# KiCad board control-logic-midplane.kicad_pcb
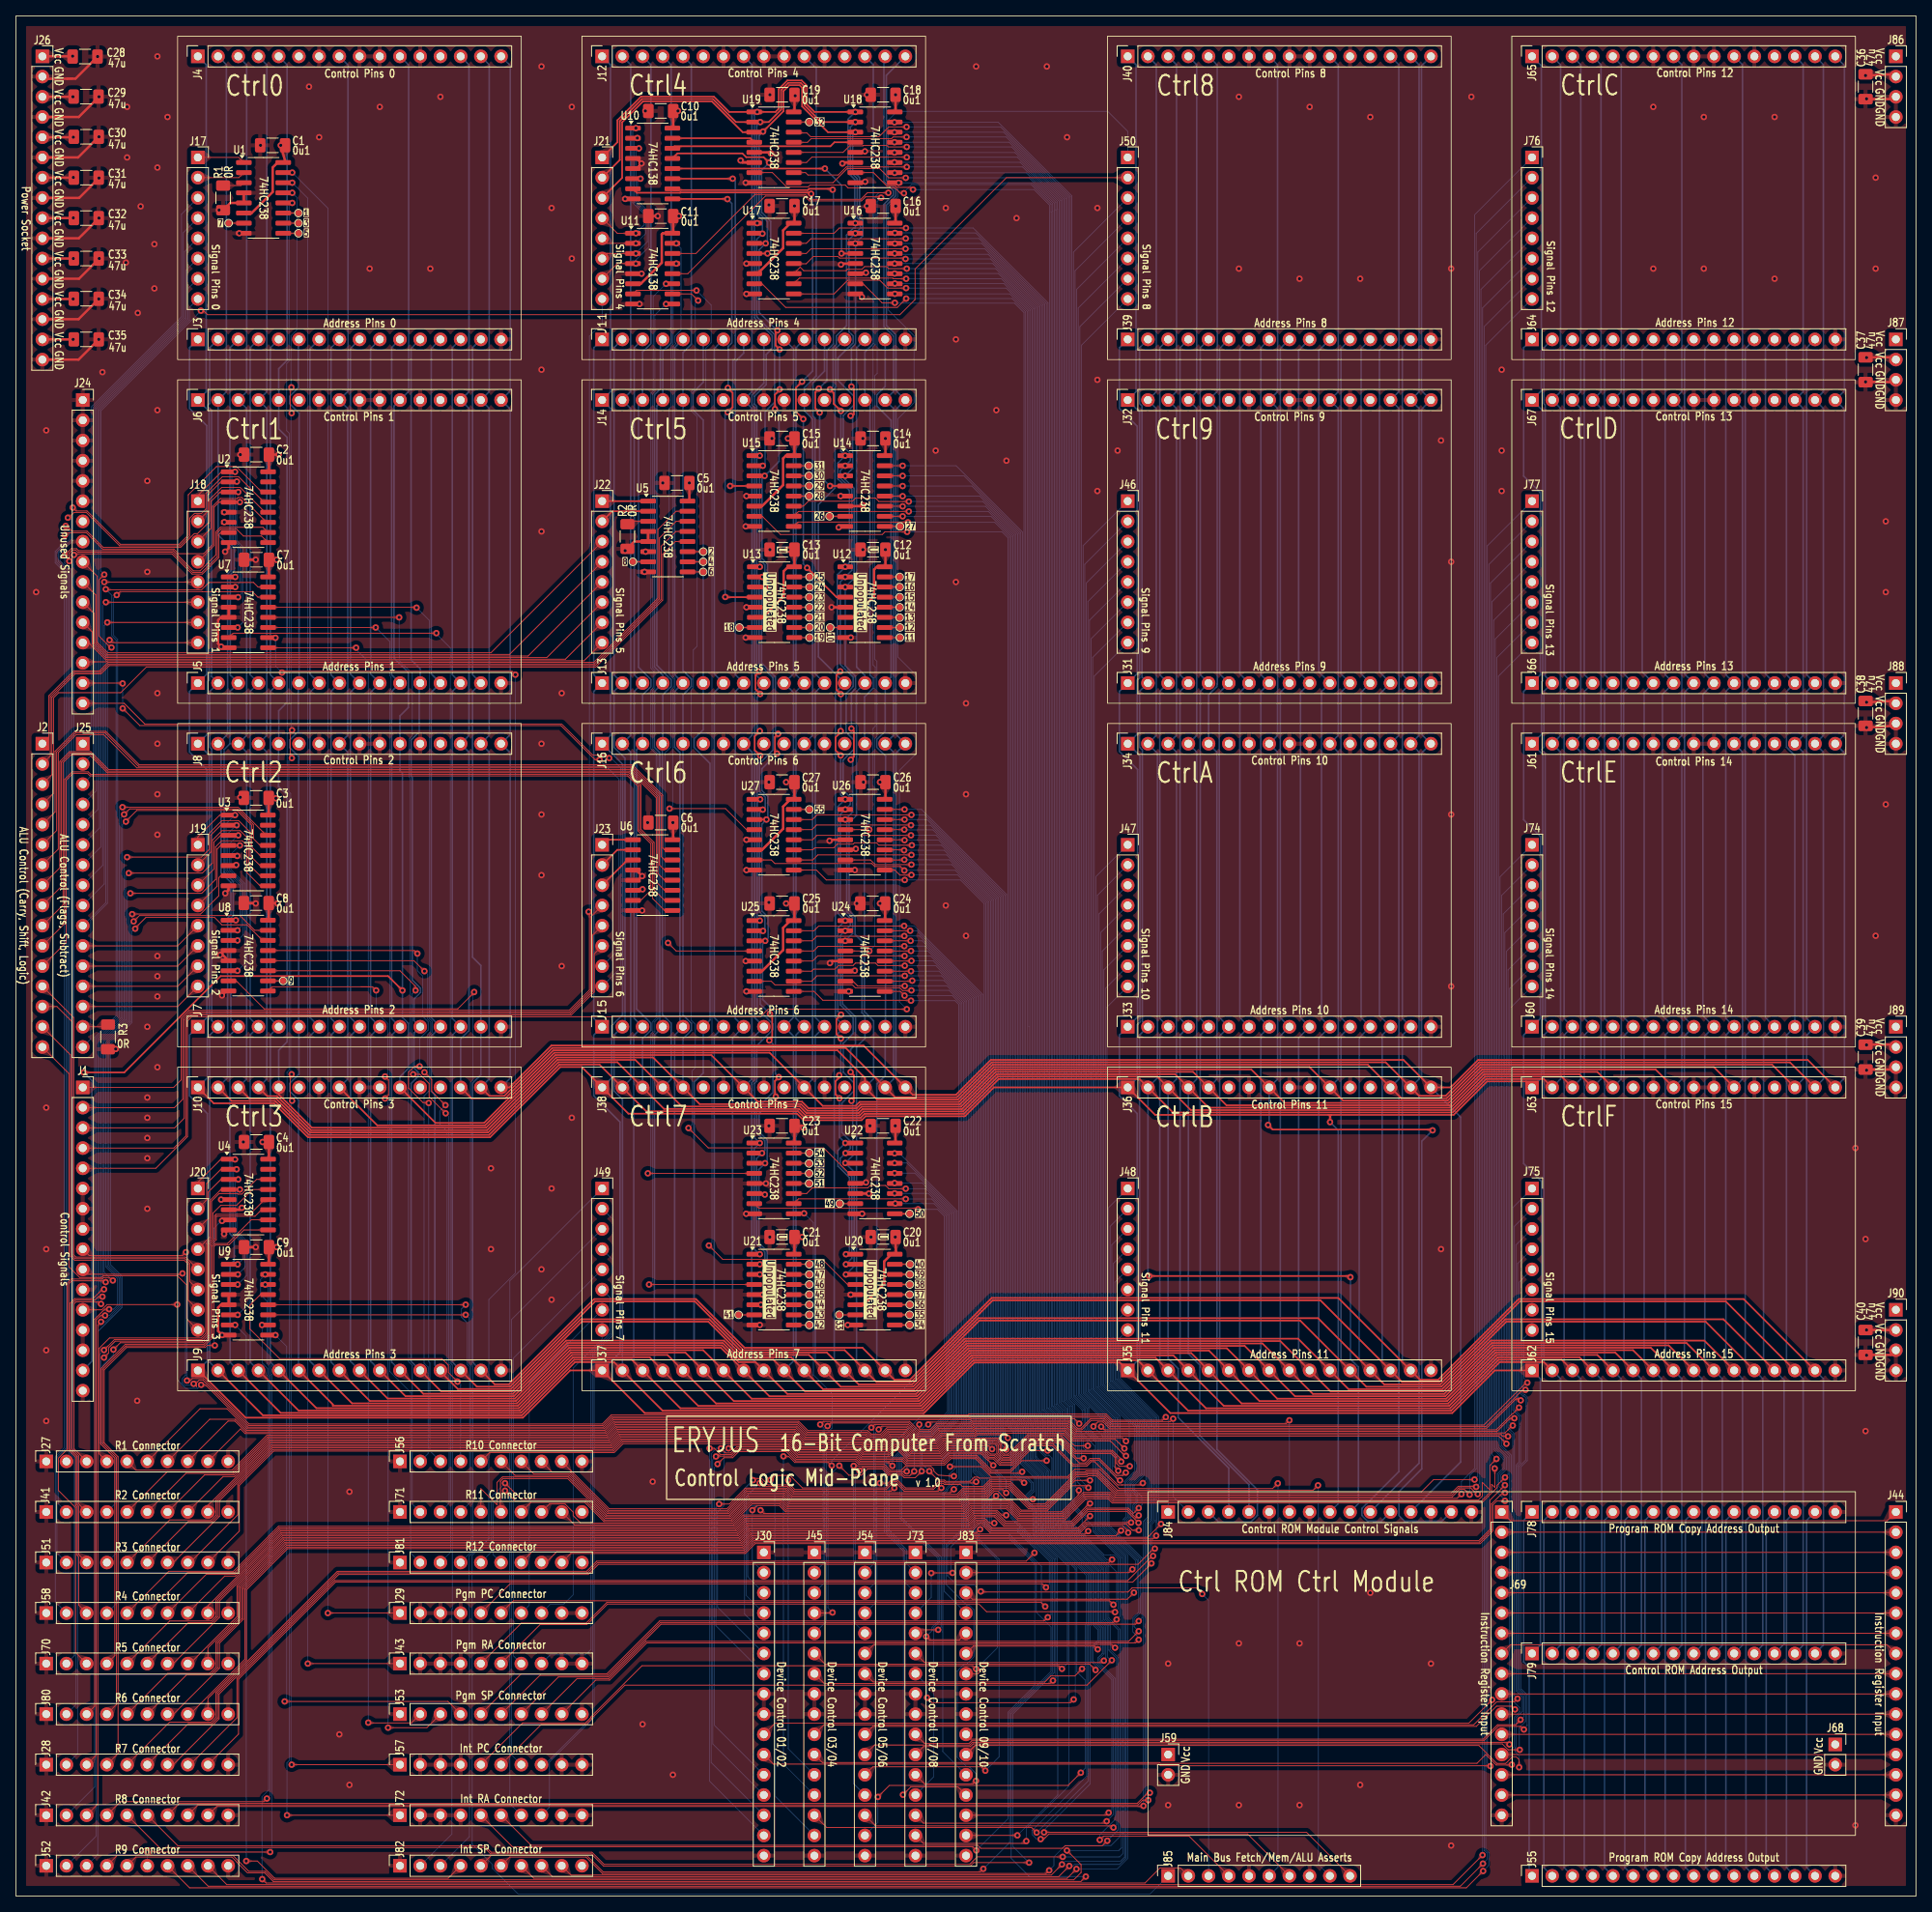
[diagram p0: board, top side]
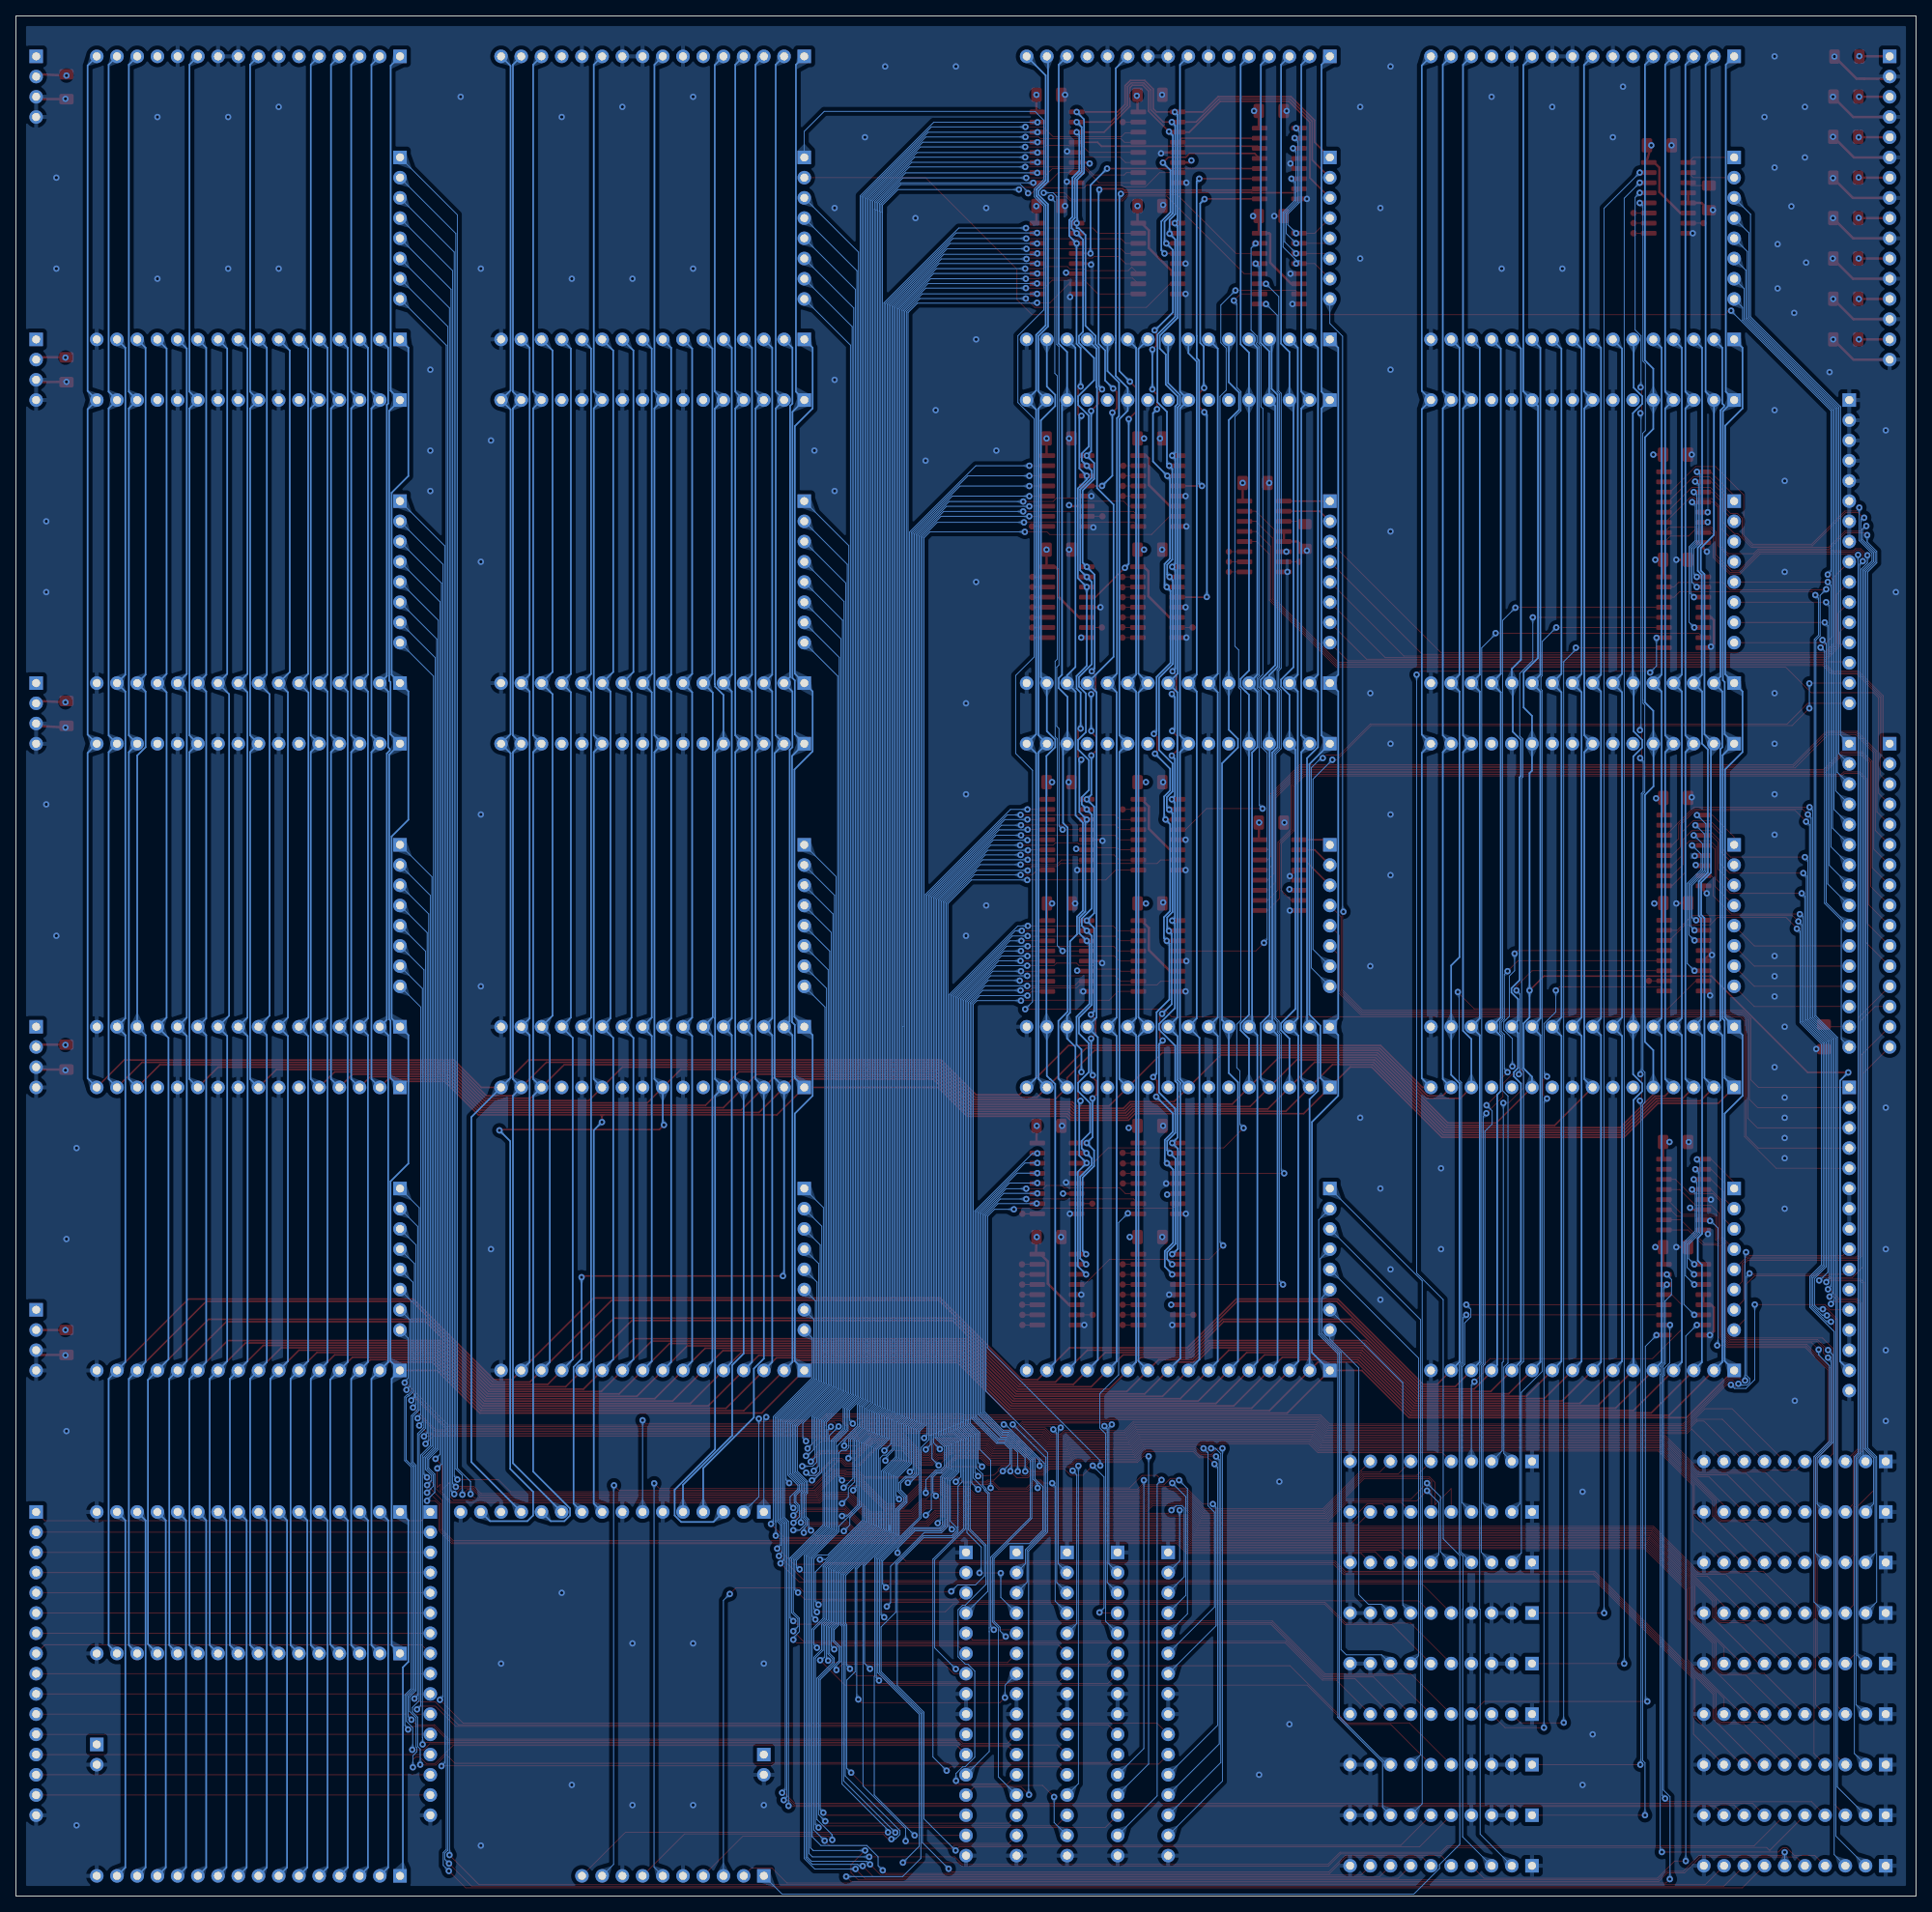
[diagram p1: board, bottom side, seen from below]

Outline 238.76 x 236.22 mm; copper layers: Top, In1.Cu.GND (plane), In2.Cu.VCC (plane), Bottom. Coordinates in mm from the lower left corner of the outline.
Outline path: rectangle 0,236.22 238.76,0
Stack: Top 0.035mm / dielectric 1.51mm FR4 er 4.5 / In1.Cu.GND 0.035mm / dielectric 1.51mm FR4 er 4.5 / In2.Cu.VCC 0.035mm / dielectric 1.51mm FR4 er 4.5 / Bottom 0.035mm

## Placement (name value [footprint] x y rotation side)
C1  0u1  [C_1206_3216Metric_Pad1.33x1.80mm_HandSolder]  32.26 219.96 180 top
C2  0u1  [C_1206_3216Metric_Pad1.33x1.80mm_HandSolder]  30.23 181.1 180 top
C3  0u1  [C_1206_3216Metric_Pad1.33x1.80mm_HandSolder]  30.2 137.97 180 top
C4  0u1  [C_1206_3216Metric_Pad1.33x1.80mm_HandSolder]  30.23 94.74 180 top
C5  0u1  [C_1206_3216Metric_Pad1.33x1.80mm_HandSolder]  83.06 177.55 180 top
C6  0u1  [C_1206_3216Metric_Pad1.33x1.80mm_HandSolder]  81.03 134.87 180 top
C7  0u1  [C_1206_3216Metric_Pad1.33x1.80mm_HandSolder]  30.23 167.89 180 top
C8  0u1  [C_1206_3216Metric_Pad1.33x1.80mm_HandSolder]  30.2 124.76 180 top
C9  0u1  [C_1206_3216Metric_Pad1.33x1.80mm_HandSolder]  30.23 81.53 180 top
C10  0u1  [C_1206_3216Metric_Pad1.33x1.80mm_HandSolder]  81.03 224.28 180 top
C11  0u1  [C_1206_3216Metric_Pad1.33x1.80mm_HandSolder]  81.03 211.07 180 top
C12  0u1  [C_1206_3216Metric_Pad1.33x1.80mm_HandSolder]  107.7 169.16 180 top
C13  0u1  [C_1206_3216Metric_Pad1.33x1.80mm_HandSolder]  96.27 169.16 180 top
C14  0u1  [C_1206_3216Metric_Pad1.33x1.80mm_HandSolder]  107.7 183.13 180 top
C15  0u1  [C_1206_3216Metric_Pad1.33x1.80mm_HandSolder]  96.27 183.13 180 top
C16  0u1  [C_1206_3216Metric_Pad1.33x1.80mm_HandSolder]  108.97 212.34 180 top
C17  0u1  [C_1206_3216Metric_Pad1.33x1.80mm_HandSolder]  96.27 212.34 180 top
C18  0u1  [C_1206_3216Metric_Pad1.33x1.80mm_HandSolder]  108.97 226.31 180 top
C19  0u1  [C_1206_3216Metric_Pad1.33x1.80mm_HandSolder]  96.27 226.31 180 top
C20  0u1  [C_1206_3216Metric_Pad1.33x1.80mm_HandSolder]  108.97 82.8 180 top
C21  0u1  [C_1206_3216Metric_Pad1.33x1.80mm_HandSolder]  96.27 82.8 180 top
C22  0u1  [C_1206_3216Metric_Pad1.33x1.80mm_HandSolder]  108.97 96.77 180 top
C23  0u1  [C_1206_3216Metric_Pad1.33x1.80mm_HandSolder]  96.27 96.77 180 top
C24  0u1  [C_1206_3216Metric_Pad1.33x1.80mm_HandSolder]  107.66 124.71 180 top
C25  0u1  [C_1206_3216Metric_Pad1.33x1.80mm_HandSolder]  96.27 124.71 180 top
C26  0u1  [C_1206_3216Metric_Pad1.33x1.80mm_HandSolder]  107.7 139.95 180 top
C27  0u1  [C_1206_3216Metric_Pad1.33x1.80mm_HandSolder]  96.27 139.95 180 top
C28  47u  [C_1206_3216Metric_Pad1.33x1.80mm_HandSolder]  8.69 231.11 0 top
C29  47u  [C_1206_3216Metric_Pad1.33x1.80mm_HandSolder]  8.81 226.09 0 top
C30  47u  [C_1206_3216Metric_Pad1.33x1.80mm_HandSolder]  8.84 221.03 0 top
C31  47u  [C_1206_3216Metric_Pad1.33x1.80mm_HandSolder]  8.84 215.9 0 top
C32  47u  [C_1206_3216Metric_Pad1.33x1.80mm_HandSolder]  8.84 210.82 0 top
C33  47u  [C_1206_3216Metric_Pad1.33x1.80mm_HandSolder]  8.84 205.74 0 top
C34  47u  [C_1206_3216Metric_Pad1.33x1.80mm_HandSolder]  8.84 200.69 0 top
C35  47u  [C_1206_3216Metric_Pad1.33x1.80mm_HandSolder]  8.84 195.58 0 top
C36  47u  [C_1206_3216Metric_Pad1.33x1.80mm_HandSolder]  232.41 227.33 270 top
C37  47u  [C_1206_3216Metric_Pad1.33x1.80mm_HandSolder]  232.41 191.77 270 top
C38  47u  [C_1206_3216Metric_Pad1.33x1.80mm_HandSolder]  232.41 148.59 270 top
C39  47u  [C_1206_3216Metric_Pad1.33x1.80mm_HandSolder]  232.41 105.41 270 top
C40  47u  [C_1206_3216Metric_Pad1.33x1.80mm_HandSolder]  232.41 69.56 270 top
J1  Addr Bus 1 Assert & Control  [PinSocket_1x16_P2.54mm_Vertical]  8.4 101.6 0 top
J2  ALU Control (2)  [PinSocket_1x16_P2.54mm_Vertical]  3.32 144.78 0 top
J3  Ctrl0 Address Pins  [PinSocket_1x16_P2.54mm_Vertical]  22.86 195.58 90 top
J4  Control Pins 0  [PinSocket_1x16_P2.54mm_Vertical]  22.86 231.14 90 top
J5  Ctrl1 Address Pins  [PinSocket_1x16_P2.54mm_Vertical]  22.86 152.4 90 top
J6  Control Pins 1  [PinSocket_1x16_P2.54mm_Vertical]  22.86 187.96 90 top
J7  Ctrl2 Address Pins  [PinSocket_1x16_P2.54mm_Vertical]  22.86 109.22 90 top
J8  Control Pins 2  [PinSocket_1x16_P2.54mm_Vertical]  22.86 144.78 90 top
J9  Ctrl3 Address Pins  [PinSocket_1x16_P2.54mm_Vertical]  22.86 66.04 90 top
J10  Control Pins 3  [PinSocket_1x16_P2.54mm_Vertical]  22.86 101.6 90 top
J11  Ctrl4 Address Pins  [PinSocket_1x16_P2.54mm_Vertical]  73.66 195.58 90 top
J12  Control Pins 4  [PinSocket_1x16_P2.54mm_Vertical]  73.66 231.14 90 top
J13  Ctrl5 Address Pins  [PinSocket_1x16_P2.54mm_Vertical]  73.66 152.4 90 top
J14  Control Pins 5  [PinSocket_1x16_P2.54mm_Vertical]  73.66 187.96 90 top
J15  Ctrl6 Address Pins  [PinSocket_1x16_P2.54mm_Vertical]  73.66 109.22 90 top
J16  Control Pins 6  [PinSocket_1x16_P2.54mm_Vertical]  73.66 144.78 90 top
J17  Signal Pins 0  [PinSocket_1x08_P2.54mm_Vertical]  22.86 218.44 0 top
J18  Signal Pins 1  [PinSocket_1x08_P2.54mm_Vertical]  22.86 175.26 0 top
J19  Signal Pins 2  [PinSocket_1x08_P2.54mm_Vertical]  22.86 132.08 0 top
J20  Signal Pins 3  [PinSocket_1x08_P2.54mm_Vertical]  22.86 88.9 0 top
J21  Signal Pins 4  [PinSocket_1x08_P2.54mm_Vertical]  73.66 218.44 0 top
J22  Signal Pins 5  [PinSocket_1x08_P2.54mm_Vertical]  73.66 175.26 0 top
J23  Signal Pins 6  [PinSocket_1x08_P2.54mm_Vertical]  73.66 132.08 0 top
J24  Registers (2)  [PinSocket_1x16_P2.54mm_Vertical]  8.4 187.96 0 top
J25  ALU Control  [PinSocket_1x16_P2.54mm_Vertical]  8.4 144.78 0 top
J26  Power Socket  [PinSocket_1x16_P2.54mm_Vertical]  3.32 231.14 0 top
J27  R1 Connector  [PinSocket_1x10_P2.54mm_Vertical]  3.81 54.61 90 top
J28  R7 Connector  [PinSocket_1x10_P2.54mm_Vertical]  3.81 16.51 90 top
J29  PgmPC Connector  [PinSocket_1x10_P2.54mm_Vertical]  48.26 35.56 90 top
J30  Device/Control 01/02  [PinSocket_1x16_P2.54mm_Vertical]  93.98 43.18 0 top
J31  Ctrl9 Address Pins  [PinSocket_1x16_P2.54mm_Vertical]  139.7 152.4 90 top
J32  Control Pins 9  [PinSocket_1x16_P2.54mm_Vertical]  139.7 187.96 90 top
J33  CtrlA Address Pins  [PinSocket_1x16_P2.54mm_Vertical]  139.7 109.22 90 top
J34  Control Pins A  [PinSocket_1x16_P2.54mm_Vertical]  139.7 144.78 90 top
J35  CtrlB Address Pins  [PinSocket_1x16_P2.54mm_Vertical]  139.7 66.04 90 top
J36  Control Pins B  [PinSocket_1x16_P2.54mm_Vertical]  139.7 101.6 90 top
J37  Ctrl7 Address Pins  [PinSocket_1x16_P2.54mm_Vertical]  73.66 66.04 90 top
J38  Control Pins 7  [PinSocket_1x16_P2.54mm_Vertical]  73.66 101.6 90 top
J39  Ctrl8 Address Pins  [PinSocket_1x16_P2.54mm_Vertical]  139.7 195.58 90 top
J40  Control Pins 8  [PinSocket_1x16_P2.54mm_Vertical]  139.7 231.14 90 top
J41  R2 Connector  [PinSocket_1x10_P2.54mm_Vertical]  3.81 48.26 90 top
J42  R8 Connector  [PinSocket_1x10_P2.54mm_Vertical]  3.81 10.16 90 top
J43  PgmRA Connector  [PinSocket_1x10_P2.54mm_Vertical]  48.26 29.21 90 top
J44  Instruction Register Input  [PinSocket_1x16_P2.54mm_Vertical]  236.22 48.26 0 top
J45  Device/Control 03/04  [PinSocket_1x16_P2.54mm_Vertical]  100.33 43.18 0 top
J46  Signal Pins 9  [PinSocket_1x08_P2.54mm_Vertical]  139.7 175.26 0 top
J47  Signal Pins A  [PinSocket_1x08_P2.54mm_Vertical]  139.7 132.08 0 top
J48  Signal Pins B  [PinSocket_1x08_P2.54mm_Vertical]  139.7 88.9 0 top
J49  Signal Pins 7  [PinSocket_1x08_P2.54mm_Vertical]  73.66 88.9 0 top
J50  Signal Pins 8  [PinSocket_1x08_P2.54mm_Vertical]  139.7 218.44 0 top
J51  R3 Connector  [PinSocket_1x10_P2.54mm_Vertical]  3.81 41.91 90 top
J52  R9 Connector  [PinSocket_1x10_P2.54mm_Vertical]  3.81 3.81 90 top
J53  PgmSP Connector  [PinSocket_1x10_P2.54mm_Vertical]  48.26 22.86 90 top
J54  Device/Control 05/06  [PinSocket_1x16_P2.54mm_Vertical]  106.68 43.18 0 top
J55  Pgm ROM Address Copy  [PinSocket_1x16_P2.54mm_Vertical]  190.5 2.54 90 top
J56  R10 Connector  [PinSocket_1x10_P2.54mm_Vertical]  48.26 54.61 90 top
J57  IntPC Connector  [PinSocket_1x10_P2.54mm_Vertical]  48.26 16.51 90 top
J58  R4 Connector  [PinSocket_1x10_P2.54mm_Vertical]  3.81 35.56 90 top
J59  Power  [PinSocket_1x02_P2.54mm_Vertical]  144.78 17.78 0 top
J60  CtrlE Address Pins  [PinSocket_1x16_P2.54mm_Vertical]  190.5 109.22 90 top
J61  Control Pins E  [PinSocket_1x16_P2.54mm_Vertical]  190.5 144.78 90 top
J62  CtrlF Address Pins  [PinSocket_1x16_P2.54mm_Vertical]  190.5 66.04 90 top
J63  Control Pins F  [PinSocket_1x16_P2.54mm_Vertical]  190.5 101.6 90 top
J64  CtrlC Address Pins  [PinSocket_1x16_P2.54mm_Vertical]  190.5 195.58 90 top
J65  Control Pins C  [PinSocket_1x16_P2.54mm_Vertical]  190.5 231.14 90 top
J66  CtrlD Address Pins  [PinSocket_1x16_P2.54mm_Vertical]  190.5 152.4 90 top
J67  Control Pins D  [PinSocket_1x16_P2.54mm_Vertical]  190.5 187.96 90 top
J68  Power  [PinSocket_1x02_P2.54mm_Vertical]  228.6 19.05 0 top
J69  Instruction Register Input  [PinSocket_1x16_P2.54mm_Vertical]  186.69 48.26 0 top
J70  R5 Connector  [PinSocket_1x10_P2.54mm_Vertical]  3.81 29.21 90 top
J71  R11 Connector  [PinSocket_1x10_P2.54mm_Vertical]  48.26 48.26 90 top
J72  IntRA Connector  [PinSocket_1x10_P2.54mm_Vertical]  48.26 10.16 90 top
J73  Device/Control 07/08  [PinSocket_1x16_P2.54mm_Vertical]  113.03 43.18 0 top
J74  Signal Pins E  [PinSocket_1x08_P2.54mm_Vertical]  190.5 132.08 0 top
J75  Signal Pins F  [PinSocket_1x08_P2.54mm_Vertical]  190.5 88.9 0 top
J76  Signal Pins C  [PinSocket_1x08_P2.54mm_Vertical]  190.5 218.44 0 top
J77  Signal Pins D  [PinSocket_1x08_P2.54mm_Vertical]  190.5 175.26 0 top
J78  Raw Address for Pgm ROM  [PinSocket_1x16_P2.54mm_Vertical]  190.5 48.26 90 top
J79  Control ROM Address  [PinSocket_1x16_P2.54mm_Vertical]  190.5 30.48 90 top
J80  R6 Connector  [PinSocket_1x10_P2.54mm_Vertical]  3.81 22.86 90 top
J81  R12 Connector  [PinSocket_1x10_P2.54mm_Vertical]  48.26 41.91 90 top
J82  IntSP Connector  [PinSocket_1x10_P2.54mm_Vertical]  48.26 3.81 90 top
J83  Device/Control 09/10  [PinSocket_1x16_P2.54mm_Vertical]  119.38 43.18 0 top
J84  Signal Header  [PinSocket_1x16_P2.54mm_Vertical]  144.78 48.26 90 top
J85  Fetch/Mem/ALU Connector  [PinSocket_1x10_P2.54mm_Vertical]  144.78 2.54 90 top
J86  Power  [PinSocket_1x04_P2.54mm_Vertical]  236.22 231.14 0 top
J87  Power  [PinSocket_1x04_P2.54mm_Vertical]  236.22 195.58 0 top
J88  Power  [PinSocket_1x04_P2.54mm_Vertical]  236.22 152.4 0 top
J89  Power  [PinSocket_1x04_P2.54mm_Vertical]  236.22 109.22 0 top
J90  Power  [PinSocket_1x04_P2.54mm_Vertical]  236.22 73.66 0 top
R1  0R  [R_1206_3216Metric_Pad1.30x1.75mm_HandSolder]  26.03 213.36 270 top
R2  0R  [R_1206_3216Metric_Pad1.30x1.75mm_HandSolder]  76.84 170.81 270 top
R3  0R  [R_1206_3216Metric_Pad1.30x1.75mm_HandSolder]  11.58 107.95 270 top
TP1  TestPoint  [TestPoint_SMD_D0.8mm]  35.51 211.46 0 top
TP2  TestPoint  [TestPoint_SMD_D0.8mm]  86.36 168.91 0 top
TP3  TestPoint  [TestPoint_SMD_D0.8mm]  35.51 210.19 0 top
TP4  TestPoint  [TestPoint_SMD_D0.8mm]  86.36 167.64 0 top
TP5  TestPoint  [TestPoint_SMD_D0.8mm]  35.51 208.92 0 top
TP6  TestPoint  [TestPoint_SMD_D0.8mm]  86.36 166.37 0 top
TP7  TestPoint  [TestPoint_SMD_D0.8mm]  26.72 210.19 0 top
TP8  TestPoint  [TestPoint_SMD_D0.8mm]  77.52 167.64 0 top
TP9  TestPoint  [TestPoint_SMD_D0.8mm]  33.58 114.99 0 top
TP10  TestPoint  [TestPoint_SMD_D0.8mm]  102.31 159.39 0 top
TP11  TestPoint  [TestPoint_SMD_D0.8mm]  111.07 158.12 0 top
TP12  TestPoint  [TestPoint_SMD_D0.8mm]  111.07 159.39 0 top
TP13  TestPoint  [TestPoint_SMD_D0.8mm]  111.05 160.63 0 top
TP14  TestPoint  [TestPoint_SMD_D0.8mm]  111.05 161.93 0 top
TP15  TestPoint  [TestPoint_SMD_D0.8mm]  111.05 163.2 0 top
TP16  TestPoint  [TestPoint_SMD_D0.8mm]  111.05 164.47 0 top
TP17  TestPoint  [TestPoint_SMD_D0.8mm]  111.05 165.74 0 top
TP18  TestPoint  [TestPoint_SMD_D0.8mm]  90.91 159.39 0 top
TP19  TestPoint  [TestPoint_SMD_D0.8mm]  99.72 158.12 0 top
TP20  TestPoint  [TestPoint_SMD_D0.8mm]  99.72 159.41 0 top
TP21  TestPoint  [TestPoint_SMD_D0.8mm]  99.7 160.66 0 top
TP22  TestPoint  [TestPoint_SMD_D0.8mm]  99.7 161.93 0 top
TP23  TestPoint  [TestPoint_SMD_D0.8mm]  99.7 163.2 0 top
TP24  TestPoint  [TestPoint_SMD_D0.8mm]  99.72 164.44 0 top
TP25  TestPoint  [TestPoint_SMD_D0.8mm]  99.72 165.74 0 top
TP26  TestPoint  [TestPoint_SMD_D0.8mm]  102.23 173.36 0 top
TP27  TestPoint  [TestPoint_SMD_D0.8mm]  111.1 172.09 0 top
TP28  TestPoint  [TestPoint_SMD_D0.8mm]  99.67 175.9 0 top
TP29  TestPoint  [TestPoint_SMD_D0.8mm]  99.67 177.17 0 top
TP30  TestPoint  [TestPoint_SMD_D0.8mm]  99.64 178.44 0 top
TP31  TestPoint  [TestPoint_SMD_D0.8mm]  99.62 179.71 0 top
TP32  TestPoint  [TestPoint_SMD_D0.8mm]  99.7 222.89 0 top
TP33  TestPoint  [TestPoint_SMD_D0.8mm]  103.45 73.03 0 top
TP34  TestPoint  [TestPoint_SMD_D0.8mm]  112.29 71.76 0 top
TP35  TestPoint  [TestPoint_SMD_D0.8mm]  112.29 73.03 0 top
TP36  TestPoint  [TestPoint_SMD_D0.8mm]  112.32 74.3 0 top
TP37  TestPoint  [TestPoint_SMD_D0.8mm]  112.29 75.57 0 top
TP38  TestPoint  [TestPoint_SMD_D0.8mm]  112.32 76.84 0 top
TP39  TestPoint  [TestPoint_SMD_D0.8mm]  112.32 78.11 0 top
TP40  TestPoint  [TestPoint_SMD_D0.8mm]  112.34 79.38 0 top
TP41  TestPoint  [TestPoint_SMD_D0.8mm]  90.81 73.03 0 top
TP42  TestPoint  [TestPoint_SMD_D0.8mm]  99.7 71.76 0 top
TP43  TestPoint  [TestPoint_SMD_D0.8mm]  99.7 73.03 0 top
TP44  TestPoint  [TestPoint_SMD_D0.8mm]  99.7 74.3 0 top
TP45  TestPoint  [TestPoint_SMD_D0.8mm]  99.7 75.57 0 top
TP46  TestPoint  [TestPoint_SMD_D0.8mm]  99.7 76.84 0 top
TP47  TestPoint  [TestPoint_SMD_D0.8mm]  99.7 78.11 0 top
TP48  TestPoint  [TestPoint_SMD_D0.8mm]  99.7 79.38 0 top
TP49  TestPoint  [TestPoint_SMD_D0.8mm]  103.51 87 0 top
TP50  TestPoint  [TestPoint_SMD_D0.8mm]  112.29 85.73 0 top
TP51  TestPoint  [TestPoint_SMD_D0.8mm]  99.67 89.54 0 top
TP52  TestPoint  [TestPoint_SMD_D0.8mm]  99.67 90.81 0 top
TP53  TestPoint  [TestPoint_SMD_D0.8mm]  99.67 92.05 0 top
TP54  TestPoint  [TestPoint_SMD_D0.8mm]  99.7 93.37 0 top
TP55  TestPoint  [TestPoint_SMD_D0.8mm]  99.7 136.53 0 top
U1  74HC238  [SOIC-16_3.9x9.9mm_P1.27mm]  31.11 213.36 0 top
U2  74HC238  [SOIC-16_3.9x9.9mm_P1.27mm]  29.21 174.5 0 top
U3  74HC238  [SOIC-16_3.9x9.9mm_P1.27mm]  29.18 131.37 0 top
U4  74HC238  [SOIC-16_3.9x9.9mm_P1.27mm]  29.21 88.14 0 top
U5  74HC238  [SOIC-16_3.9x9.9mm_P1.27mm]  81.92 170.81 0 top
U6  74HC238  [SOIC-16_3.9x9.9mm_P1.27mm]  80.01 128.27 0 top
U7  74HC238  [SOIC-16_3.9x9.9mm_P1.27mm]  29.21 161.29 0 top
U8  74HC238  [SOIC-16_3.9x9.9mm_P1.27mm]  29.18 118.16 0 top
U9  74HC238  [SOIC-16_3.9x9.9mm_P1.27mm]  29.21 74.93 0 top
U10  74HC138  [SOIC-16_3.9x9.9mm_P1.27mm]  80.01 217.68 0 top
U11  74HC138  [SOIC-16_3.9x9.9mm_P1.27mm]  80.01 204.47 0 top
U12  74HC238  [SOIC-16_3.9x9.9mm_P1.27mm]  106.68 162.56 0 top
U13  74HC238  [SOIC-16_3.9x9.9mm_P1.27mm]  95.32 162.56 0 top
U14  74HC238  [SOIC-16_3.9x9.9mm_P1.27mm]  106.68 176.53 0 top
U15  74HC238  [SOIC-16_3.9x9.9mm_P1.27mm]  95.25 176.53 0 top
U16  74HC238  [SOIC-16_3.9x9.9mm_P1.27mm]  107.95 205.74 0 top
U17  74HC238  [SOIC-16_3.9x9.9mm_P1.27mm]  95.25 205.74 0 top
U18  74HC238  [SOIC-16_3.9x9.9mm_P1.27mm]  107.95 219.71 0 top
U19  74HC238  [SOIC-16_3.9x9.9mm_P1.27mm]  95.25 219.71 0 top
U20  74HC238  [SOIC-16_3.9x9.9mm_P1.27mm]  107.95 76.2 0 top
U21  74HC238  [SOIC-16_3.9x9.9mm_P1.27mm]  95.25 76.2 0 top
U22  74HC238  [SOIC-16_3.9x9.9mm_P1.27mm]  107.95 90.17 0 top
U23  74HC238  [SOIC-16_3.9x9.9mm_P1.27mm]  95.25 90.17 0 top
U24  74HC238  [SOIC-16_3.9x9.9mm_P1.27mm]  106.68 118.11 0 top
U25  74HC238  [SOIC-16_3.9x9.9mm_P1.27mm]  95.25 118.11 0 top
U26  74HC238  [SOIC-16_3.9x9.9mm_P1.27mm]  106.68 133.35 0 top
U27  74HC238  [SOIC-16_3.9x9.9mm_P1.27mm]  95.25 133.35 0 top

## Library data of the parts
C1-C40 = -: Description: Unpolarized capacitor, small symbol
J1-J16 J24-J26 J30-J40 J44 J45 J54 J55 J60-J67 J69 J73 J78 J79 J83 J84 = -: Description: Generic connector, single row, 01x16, script generated
J17-J23 J46-J50 J74-J77 = -: Description: Generic connector, single row, 01x08, script generated
J27-J29 J41-J43 J51-J53 J56-J58 J70-J72 J80-J82 J85 = -: Description: Generic connector, single row, 01x10, script generated
J59 J68 = -: Description: Generic connector, single row, 01x02, script generated
J86-J90 = -: Description: Generic connector, single row, 01x04, script generated
R1-R3 = -: Description: Resistor, US symbol
TP1-TP55 = -: Description: test point
U1-U9 U12-U27 = -: Description: 3-to-8 line decoder/multiplexer, DIP-16/SOIC-16/SSOP-16
U10 U11 = -: Description: 3-to-8 line decoder/multiplexer inverting, DIP-16/SOIC-16/SSOP-16

## Footprints (pads in the part's own frame, mm; a bottom-side part is the same pattern mirrored in y, then rotated)
C_1206_3216Metric_Pad1.33x1.80mm_HandSolder
  rrect 1.325x1.8 smd: 1(-1.562,0) 2(1.562,0)
PinSocket_1x02_P2.54mm_Vertical
  rect 1.7x1.7 hole 1: 1(0,0)
  oval 1.7x1.7 hole 1: 2(0,-2.54)
PinSocket_1x04_P2.54mm_Vertical
  rect 1.7x1.7 hole 1: 1(0,0)
  oval 1.7x1.7 hole 1: 2(0,-2.54) 3(0,-5.08) 4(0,-7.62)
PinSocket_1x08_P2.54mm_Vertical
  rect 1.7x1.7 hole 1: 1(0,0)
  oval 1.7x1.7 hole 1: 2(0,-2.54) 3(0,-5.08) 4(0,-7.62) 5(0,-10.16) 6(0,-12.7) 7(0,-15.24) 8(0,-17.78)
PinSocket_1x10_P2.54mm_Vertical
  rect 1.7x1.7 hole 1: 1(0,0)
  oval 1.7x1.7 hole 1: 2(0,-2.54) 3(0,-5.08) 4(0,-7.62) 5(0,-10.16) 6(0,-12.7) 7(0,-15.24) 8(0,-17.78) 9(0,-20.32) 10(0,-22.86)
PinSocket_1x16_P2.54mm_Vertical
  rect 1.7x1.7 hole 1: 1(0,0)
  oval 1.7x1.7 hole 1: 2(0,-2.54) 3(0,-5.08) 4(0,-7.62) 5(0,-10.16) 6(0,-12.7) 7(0,-15.24) 8(0,-17.78) 9(0,-20.32) 10(0,-22.86) 11(0,-25.4) 12(0,-27.94) 13(0,-30.48) 14(0,-33.02) 15(0,-35.56) 16(0,-38.1)
R_1206_3216Metric_Pad1.30x1.75mm_HandSolder
  rrect 1.3x1.75 smd: 1(-1.55,0) 2(1.55,0)
SOIC-16_3.9x9.9mm_P1.27mm
  rrect 1.95x0.6 smd: 1(-2.475,4.445) 2(-2.475,3.175) 3(-2.475,1.905) 4(-2.475,0.635) 5(-2.475,-0.635) 6(-2.475,-1.905) 7(-2.475,-3.175) 8(-2.475,-4.445) 9(2.475,-4.445) 10(2.475,-3.175) 11(2.475,-1.905) 12(2.475,-0.635) 13(2.475,0.635) 14(2.475,1.905) 15(2.475,3.175) 16(2.475,4.445)
TestPoint_SMD_D0.8mm
  round 0.8 smd: 1(0,0)
